# KiCad board H3.kicad_pcb (continued)
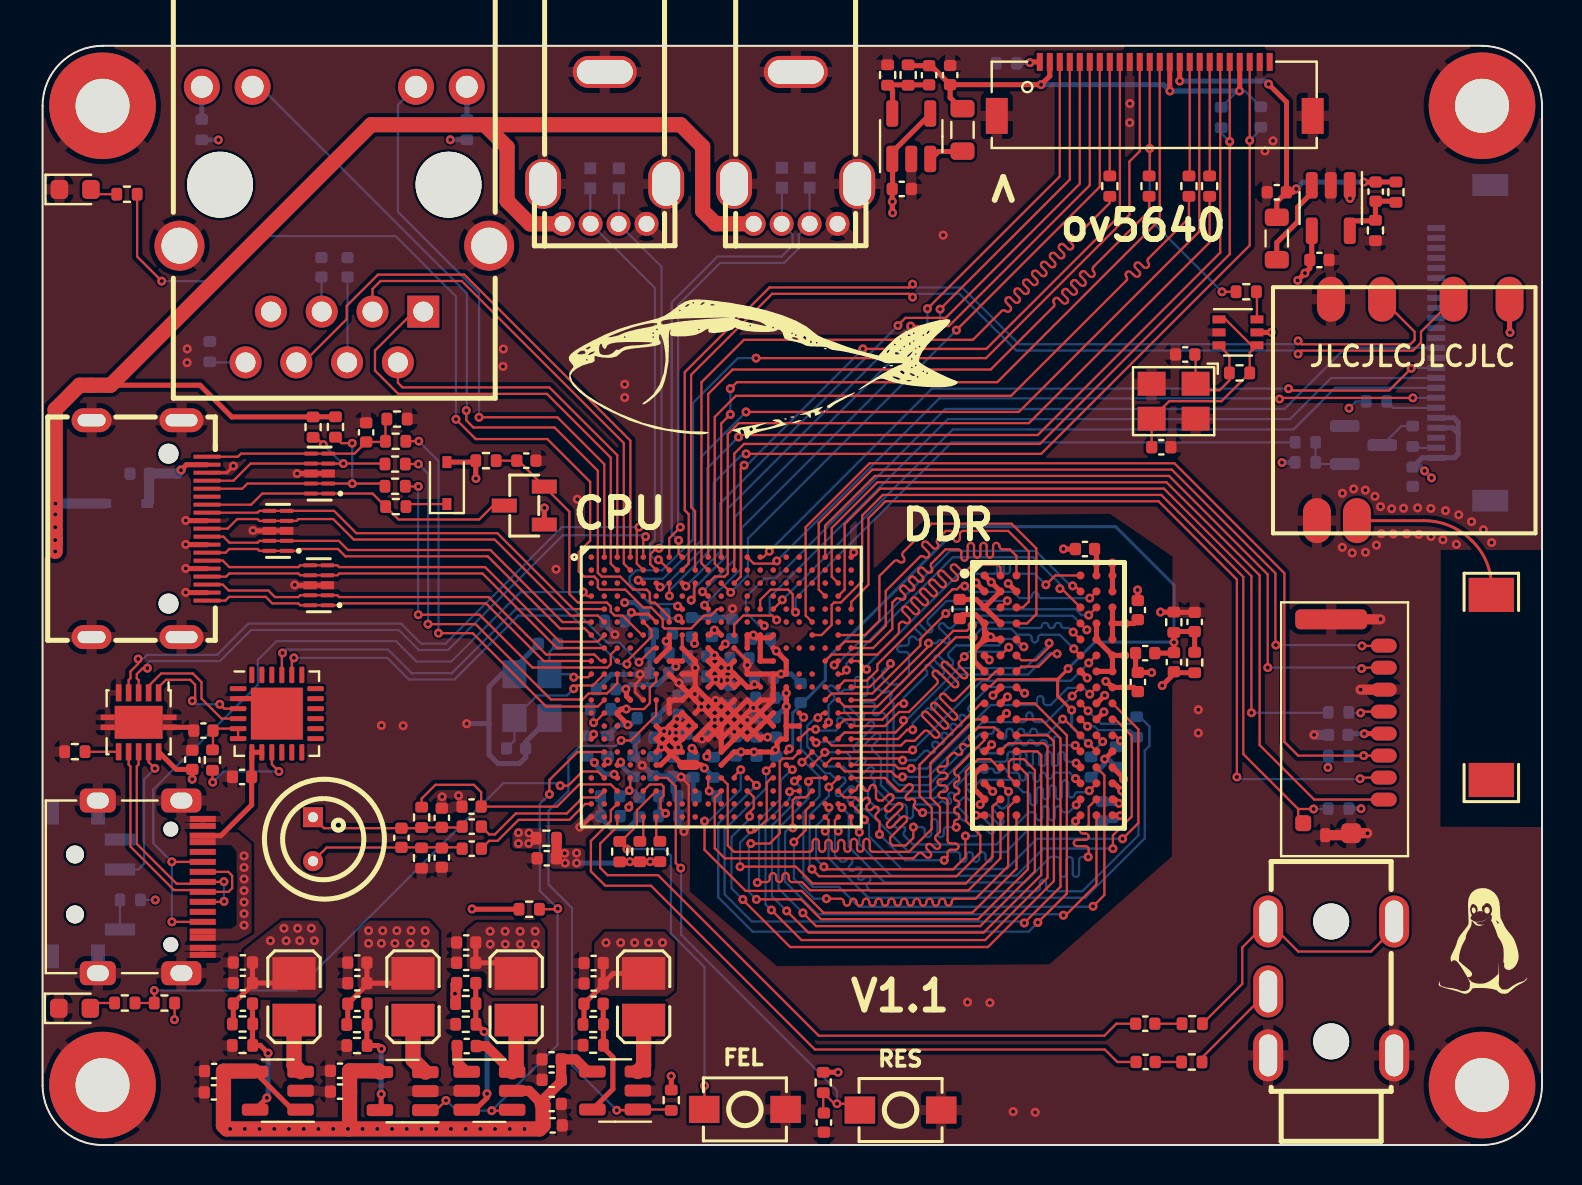
[diagram p0: board, top side]
## Routing (per net, layer and track width the routed paths; a pad name or vN(x,y) marks a point on that pad's centre or on a via; arc(x,y) is an arc through that point) (continued)
Net-(C54-Pad1): length 1.5
  Top w0.508: U5.1 20.73,4.14 C54.1
Net-(C54-Pad2): length 5
  Top w0.508: C54.2 22.2,4.95 U5.6
  Top w0.762: U5.6 23.69,3.86 L4.1
Net-(C55-Pad1): length 6
  Top w0.254: v1(16.94,2.55) 16.94,1.81 U4.5 ; C55.1 16.22,4.99 R27.1 16.78,4.98 v1(16.95,4.81)
  Top w0.508: 16.22,6.04 R26.2
  Bottom w0.254: v1(16.94,2.55) 16.94,4.8 v1(16.95,4.81)
Net-(C62-Pad2): length 1.4
  Top w0.114: C62.2 56.99,6.07 R29.1
Net-(C63-Pad2): length 1.3
  Top w0.114: C63.2 R33.1
Net-(C73-Pad2): length 7.7
  Top w0.114: MIC1.1 14.08,15.85 17.95,15.85 C79.1 18.93,15.85 R45.2 20.94,15.89 C73.2
Net-(C74-Pad2): length 7.8
  Top w0.114: C74.2 20.92,14.89 C79.2 17.94,14.88 14.21,14.88 MIC1.2
Net-(C76-Pad2): length 2.8
  Top w0.114: U10.6 U10.5 8.62,20.84 C76.2 8.52,19.8 R44.1
Net-(C80-Pad2): length 5.5
  Top w0.114: C80.2 57.67,39.52 Y2.1 57.99,37.77 58.88,37.77 59.36,38.26 R49.2 59.36,39.49 U11.3
Net-(C81-Pad2): length 11.2
  Top w0.114: U11.1 59.17,41.31 60.47,40.01 U11.4 60.38,39.65 R49.1 58.97,37.22 56.35,37.22 Y2.3 55.47,34.92
Net-(C85-Pad2): length 3.3
  Top w0.254: R60.1 66.67,47.22 C85.2 67.64,47.23 R51.2 ; 65.39,46.24 66.64,46.24 66.69,46.3
Net-(C86-Pad2): length 3.7
  Top w0.254: 44.33,53.05 42.24,53.05 42.52,52.77 42.52,51.6
Net-(C90-Pad1): length 10.4
  Top w0.114: HDMI1.19 9.77,34.44 9.93,34.6 D6.6 D6.5 15.6,34.6 C90.1 17.12,35.18 R63.2 17.15,36.26 R67.2
Net-(C91-Pad2): length 1.7
  Bottom w0.114: C91.2 13.95,41.72 J2.5
Net-(C92-Pad2): length 4.3
  Bottom w0.114: C92.2 15.25,39.18 J2.4
Net-(C93-Pad1): length 4.6
  Top w0.254: HDMI1.18 7.2,34.04 v1(6.92,33.77)
  Bottom w0.254: 5.33,32.19 D8.1
  Bottom w0.508: 5.33,32.19 C93.1 6.75,33.59 v1(6.92,33.77)
Net-(D1-Pad2): length 1.4
  Top w0.114: D1.2 2.65,47.58 R36.2
Net-(D2-Pad2): length 1.3
  Top w0.114: R35.2 2.65,7.11 D2.2
Net-(D3-Pad1): length 2.1
  Top w0.114: R69.1 18.3,32.07 D3.1
Net-(D6-Pad1): length 15.9
  Top w0.114: D6.1 16.51,32.6 R69.2 17.8,31.3 21.84,31.3 22.53,32 Q2.3 ; 14.29,32.6 D6.10 10.99,32.6 10.43,32.04 HDMI1.13
Net-(D6-Pad2): length 12
  Top w0.114: HDMI1.15 9.99,32.84 10.24,33.1 D6.9 D6.2 v1(15.49,33.1) 16.99,33.1 R64.2 ; v1(15.48,35.12) 14.95,35.12 R66.2
  Bottom w0.114: v1(15.49,33.1) 15.49,33.1 15.49,35.11 v1(15.48,35.12)
Net-(D6-Pad4): length 11.3
  Top w0.114: v1(14.04,35.05) 13.68,35.41 R68.2 ; R65.2 17.1,34.1 v1(15.04,34.1) 15.04,34.1 D6.4 D6.7 10.4,34.1 9.55,33.24 HDMI1.16
  Bottom w0.114: v1(14.04,35.05) 14.99,34.1 v1(15.04,34.1)
Net-(DU1-PadL8): length 1.4
  Top w0.114: DU1.L8 52.71,20.49 v1(53.02,20.18)
  Bottom w0.114: R2.1 52.44,19.6 v1(53.02,20.18)
Net-(DU1-PadL9): length 0.9
  Top w0.114: v1(53.92,20.23) 53.65,20.5 DU1.L9
  Bottom w0.114: 53.66,19.93 53.66,19.97 v1(53.92,20.23)
Net-(F1-Pad1): length 1.2
  Top w0.254: v1(49.39,54.16) 49.42,54.19 F1.1
  Bottom w0.254: R37.1 48.75,54.16 v1(49.39,54.16)
Net-(F1-Pad8): length 5.7
  Top w0.114: F1.8 53.38,48.49 R53.2
Net-(F1-Pad12): length 15.1
  Top w0.114: R59.2 59,42.7 v1(58.99,42.69) ; R52.2 55.38,48.52 v1(55.38,49.86) F1.12
  Bottom w0.114: v1(55.38,49.86) 55.38,46.31 v1(58.99,42.69)
Net-(F1-Pad16): length 5.7
  Top w0.114: F1.16 57.38,48.53 R57.2
Net-(F1-Pad18): length 5.7
  Top w0.114: F1.18 58.38,48.49 R56.2
Net-(J1-Pad3): length 4.9
  Top w0.114: J1.3 57.99,4.38 R33.2
Net-(J1-Pad4): length 14.2
  Top w0.114: J1.4 67.6,10.84 66.44,9.68 62.81,9.68 61.3,11.18 J1.4 60.01,9.89 60.01,8.06 R29.2
Net-(J2-Pad8): length 1.8
  Bottom w0.114: R70.2 8.39,39.16 J2.8
Net-(J2-Pad9): length 1.6
  Bottom w0.254: J2.9 21.22,52.94 R71.2
Net-(J2-Pad12): length 1.6
  Bottom w0.254: R72.2 7.96,52.94 J2.12
Net-(L1-Pad1): length 2.7
  Top w0.762: U2.3 12.58,4 L1.1
Net-(L2-Pad1): length 2.7
  Top w0.762: U3.3 30.06,3.96 L2.1
Net-(L3-Pad1): length 2.9
  Top w0.762: L3.1 18.53,4.26 U4.3
Net-(L5-Pad2): length 4.1
  Top w0.254: L5.2 61.73,45.15 62.78,46.2 62.78,46.93 63.49,47.65
Net-(L6-Pad2): length 1.9
  Top w0.254: 44.42,49.32 44.81,49.71 46.18,49.71
Net-(Q1-Pad1): length 2.4
  Bottom w0.114: 63.77,34.07 Q1.1 ; R47.2 63.67,34.16 R48.2
Net-(Q1-Pad3): length 1.9
  Bottom w0.114: R50.1 67.96,35.97 67.02,35.03
Net-(R1-Pad1): length 1.2
  Top w0.114: 33.3,17.77 U1.V10
  Top w0.152: v1(33.35,17.71) 33.3,17.77
  Bottom w0.114: 33.62,17.44 v1(33.35,17.71)
  Bottom w0.152: R1.1 33.62,17.44
Net-(R9-Pad2): length 0.7
  Top w0.254: U1.T9 32.65,19.69 v1(32.48,19.85)
  Bottom w0.254: R9.2 32.55,19.79 v1(32.48,19.85)
Net-(R10-Pad2): length 0.3
  Top w0.114: v1(27.56,20.55) 27.45,20.44 U1.R1
Net-(R11-Pad2): length 1.5
  Top w0.114: v1(27.56,21.13) 27.61,21.13 U1.N2
  Bottom w0.114: R11.2 27.56,21.64 v1(27.56,21.13)
Net-(R12-Pad2): length 0.5
  Top w0.114: v1(28.27,19.19) 28.27,19.19 U1.U2
  Bottom w0.114: 28.32,19.44 28.32,19.24 v1(28.27,19.19)
Net-(R13-Pad2): length 2
  Top w0.152: v1(29.45,26.65) 29.53,26.56 30.3,26.56 U1.F6
  Bottom w0.254: R13.2 29.45,26.53 v1(29.45,26.65)
Net-(R15-Pad2): length 1.3
  Top w0.114: U1.AA6 30.69,15.41 30.89,15.22
Net-(R16-Pad2): length 1.3
  Top w0.114: 29.89,15.21 30.05,15.36 U1.AA5
Net-(R34-Pad2): length 1.5
  Bottom w0.114: SW2.1 3.87,12.26 R34.2
Net-(R38-Pad1): length 1.7
  Top w0.114: R38.1 2.13,19.68 U6.6
Net-(R41-Pad2): length 1.8
  Top w0.114: U9.5 65.99,21.69 v1(65.93,21.62)
  Bottom w0.114: 65.32,21.62 v1(65.93,21.62)
Net-(R44-Pad2): length 5.2
  Top w0.114: U10.9 11.47,19.05 v1(11.82,18.69) ; R44.2 8.5,18.17 v1(8.51,18.15)
  Bottom w0.114: v1(11.82,18.69) 9.05,18.69 v1(8.51,18.15)
Net-(R59-Pad1): length 1.4
  Top w0.114: U11.6 60.74,42.67 R59.1

## Copper pours and planes (outline as drawn; the poured copper is in the pictures)
+3V3 on Top: 25.18,15.74 25.2,15.01 24.97,14.82 23.59,14.83 23.5,14.94 23.51,15.74 23.61,15.86 24.99,15.85
+3V3 on Top: 14.04,10.84 14.03,7.78 13.63,7.38 10.5,7.39 10.07,7.75 10.07,9.75 11.97,11.23 13.77,11.23
+3V3 on POWER.Cu: 3,0 0.88,0.88 0,3 0,52 0.88,54.12 3,55 72,55 74.12,54.12 75,52 75,3 74.12,0.88 72,0
GND on Top: 3,0 0.88,0.88 0,3 0,52 0.88,54.12 3,55 72,55 74.12,54.12 75,52 75,3 74.12,0.88 72,0
GND on Bottom: 3,0 0.88,0.88 0,3 0,52 0.88,54.12 3,55 72,55 74.12,54.12 75,52 75,3 74.12,0.88 72,0
GND on GND.Cu: 3,0 0.88,0.88 0,3 0,52 0.88,54.12 3,55 72,55 74.12,54.12 75,52 75,3 74.12,0.88 72,0
VCC_IN on Top: 9.77,15.65 10.45,15.07 10.46,10.64 9.75,10.22 7.36,10.22 7.36,10.83 9.44,10.83 9.7,11.02 9.71,14.67 9.42,15.01 7.36,15.01 7.36,15.63
VDD3V3_AV on Top: 25.33,14.01 25.31,14.74 25.54,14.87 26.97,14.87 27.14,14.74 27.13,14 26.98,13.82 25.53,13.82
VDD3V3_AV on POWER.Cu: 30.06,21.66 26.98,13.81 25.52,13.83 25.2,14.06 28.65,22.35 29.51,22.28
VDD_CPUFB on POWER.Cu: 33.71,19.43 33.42,19.1 32.78,19.1 31.02,12.91 30.2,10.76 28.09,10.75 24.68,7.21 20.37,7.19 20.18,7.32 20.2,7.81 20.39,7.96 24.09,7.99 27.78,11.45 29.64,11.48 32.39,19.89 33.54,19.87
VDD_CPUX on Top: 24.88,11.13 25.14,10.76 25.14,7.94 24.61,7.48 22.5,7.48 22.2,7.72 22.21,8.51 22.04,8.69 21.46,8.67 21.22,8.94 21.21,10.76 21.7,11.15
VDD_CPUX on POWER.Cu: 32.09,21.4 32.07,19.02 29.68,11.55 25.45,11.57 25.14,10.94 25.13,9.83 24.78,9.47 22.12,9.49 21.69,9.9 21.68,11.12 22.5,12.61 28.44,12.54 30.79,18.67 30.79,20.88 31.61,21.57 31.93,21.56
VDD_DRAM on Top: 31.1,10.67 31.63,10.14 31.6,7.74 31.23,7.44 28.04,7.46 27.61,7.75 27.59,10.1 28.13,10.68
VDD_DRAM on POWER.Cu: 56.52,29.45 56.48,14.44 50.36,9.04 36.73,8.96 36.07,9.56 31.43,9.56 27.81,9.58 27.6,9.74 27.6,10.11 28.13,10.69 31.41,10.67 31.76,11.29 32.37,12.69 32.41,18.84 34.1,20.15 35.77,20.13 36.51,21.01 36.53,23.9 44.33,31.5 53.38,31.58
VDD_SYSTEM on Top: 19.34,11.23 19.82,10.69 19.84,7.84 19.46,7.53 16.12,7.54 15.75,7.93 15.75,10.76 16.35,11.23
VDD_SYSTEM on POWER.Cu: 33.89,25.05 36.04,23.06 36.04,22.66 35.88,22.49 32.24,22.45 28.43,12.54 20.34,12.62 19.78,12.02 19.77,9.83 19.51,9.6 16.03,9.6 15.7,9.85 15.68,12.12 17.26,13.84 26.99,13.84 27.44,14.93 30.04,21.66 32.19,24.81 32.99,24.78 33.2,25.05

## Text on the board
B.Silkscreen: UART | OTG | >
F.Silkscreen: FEL | RES | JLCJLCJLCJLC | CPU | V1.1 | DDR | ov5640 | >
